# Altium PCB rt10.PcbDoc (part 3 of 3)
Units mm, origin at the board's own origin, x right, y up, seen from the top; angles counter-clockwise.
Board outline 35.56 x 44.45 mm, 8 copper layers (Top, L2, L3, L4, L5, L6, L7, Bottom), stack 1.19 mm thick; 220 components, 216 nets, 974 pads, 557 vias.
Unrouted connection lines stored in the file: 1.
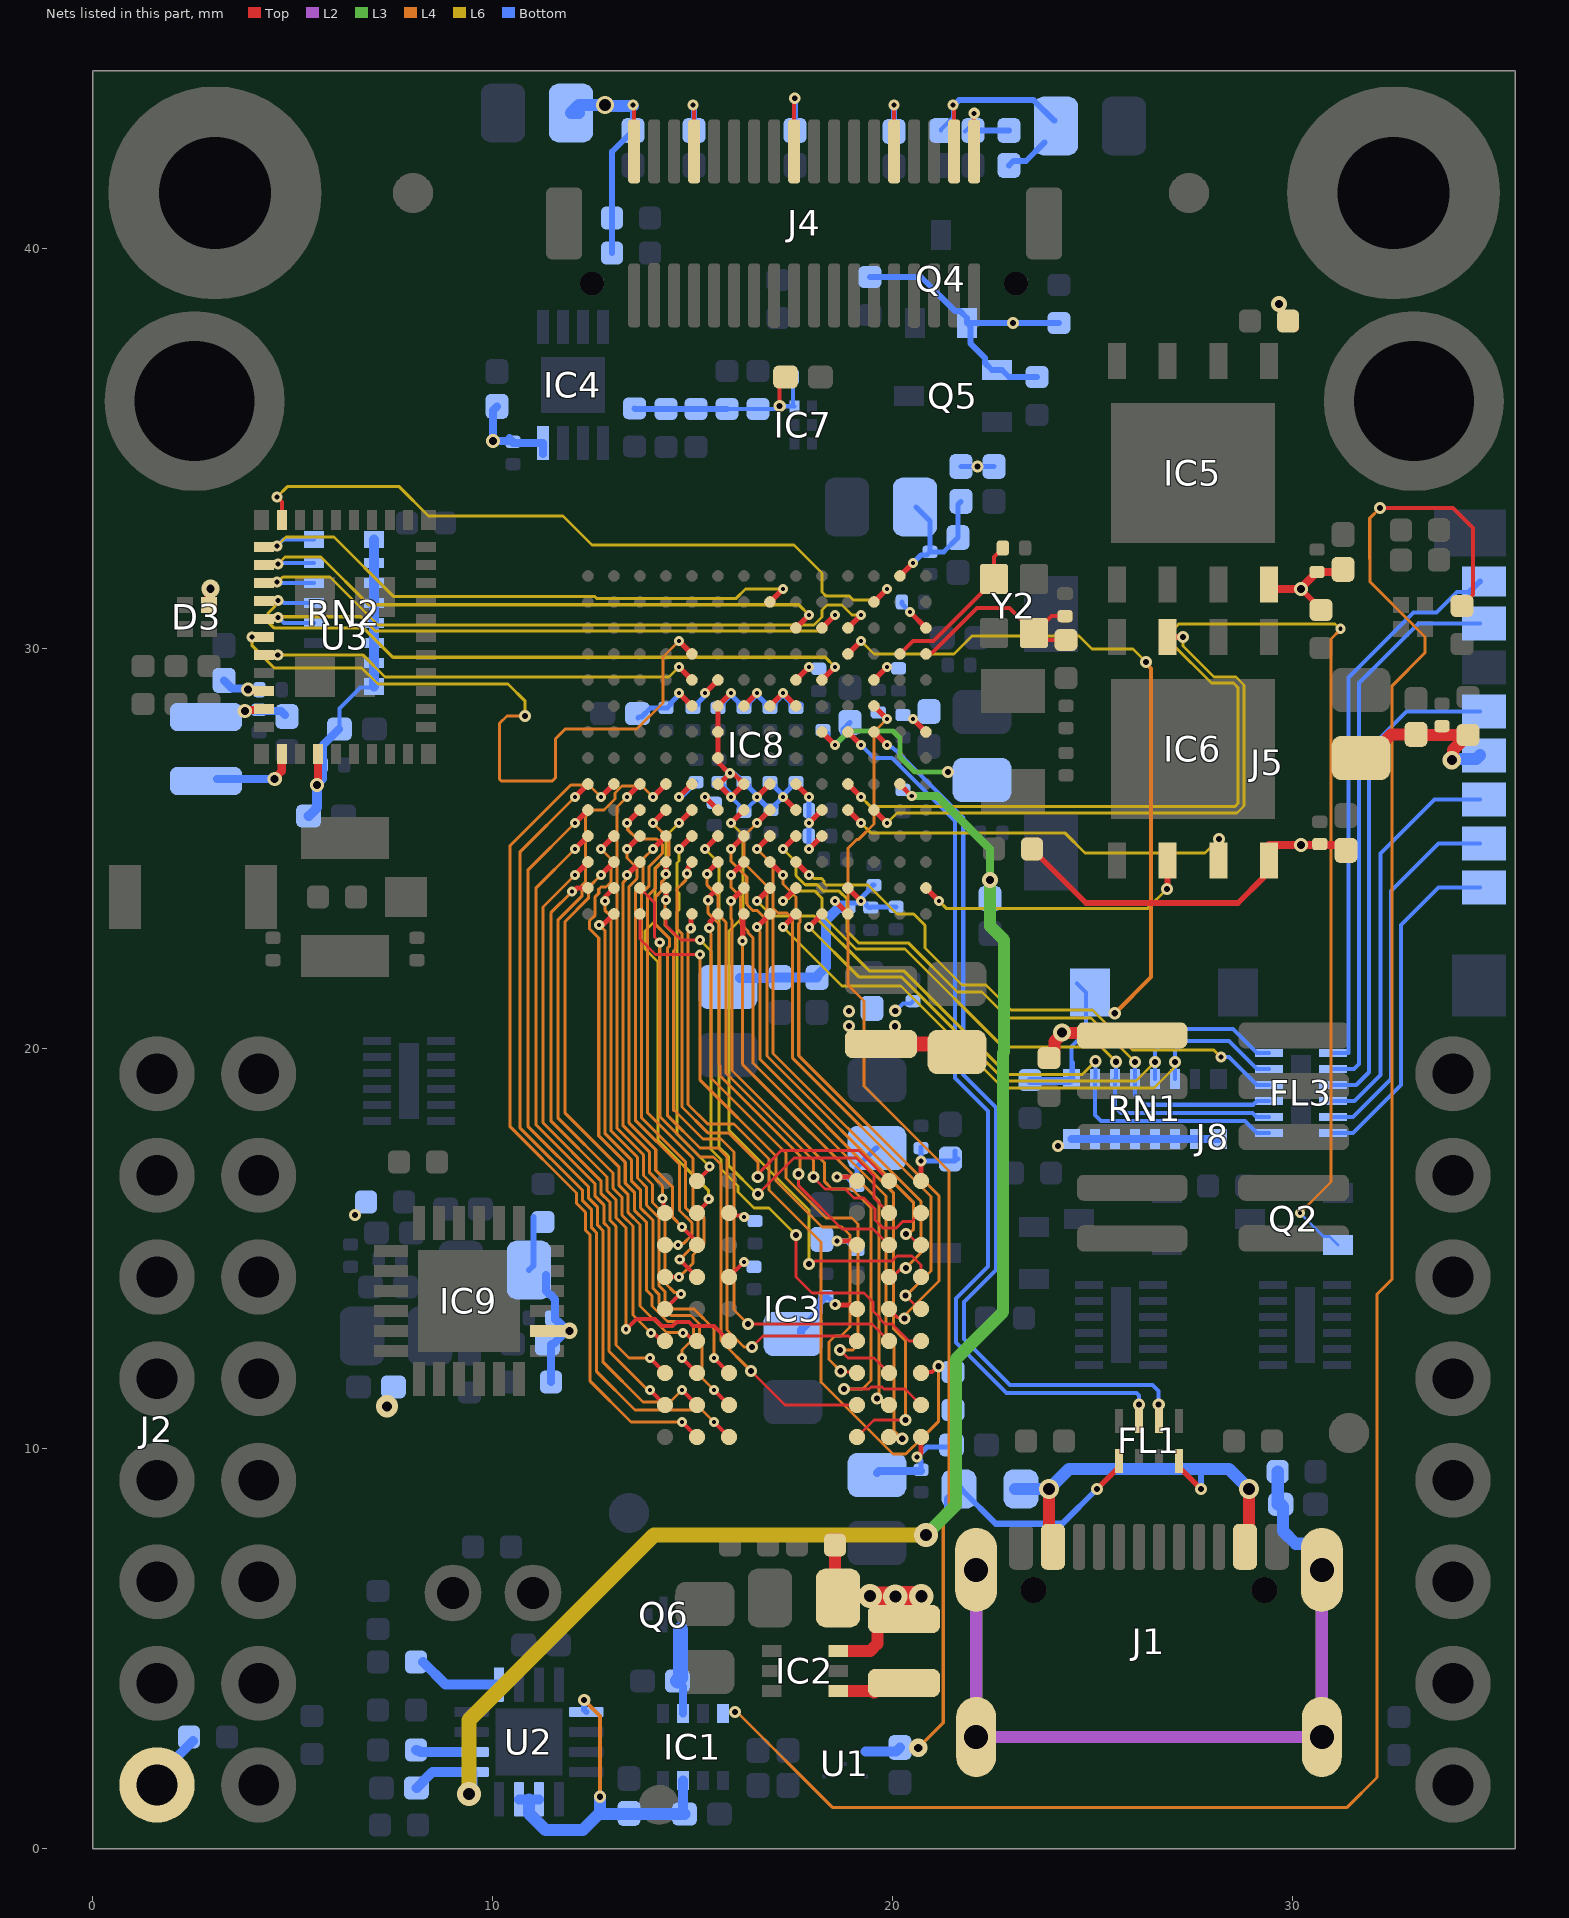
[diagram p9: the nets of this part, all layers, seen from the top]

## Via types
v1: diameter 0.254, hole 0.102, Top to Bottom, tented both sides, 227 vias
v2: diameter 0.305, hole 0.152, Top to Bottom, tented both sides, 152 vias
v3: diameter 0.279, hole 0.127, Top to Bottom, tented both sides, 108 vias
v4: diameter 0.356, hole 0.203, Top to Bottom, tented both sides, 30 vias
v5: diameter 0.61, hole 0.305, Top to Bottom, tented both sides, 9 vias
v6: diameter 0.457, hole 0.203, Top to Bottom, tented both sides, 7 vias
v7: diameter 0.406, hole 0.203, Top to Bottom, tented both sides, 6 vias
v8: diameter 0.457, hole 0.254, Top to Bottom, tented both sides, 5 vias
v9: diameter 0.457, hole 0.305, Top to Bottom, tented both sides, 4 vias
v10: diameter 0.406, hole 0.254, Top to Bottom, tented both sides, 3 vias
v11: diameter 0.457, hole 0.457, Top to Bottom, tented both sides, 2 vias
v12: diameter 0.508, hole 0.305, Top to Bottom, tented both sides, 2 vias
v13: diameter 0.559, hole 0.254, Top to Bottom, tented both sides, 1 vias
v14: diameter 0.508, hole 0.254, Top to Bottom, tented both sides, 1 vias

## Nets (pads, with @x,y where several pads share a name; then routed paths per layer and width w, separated by ;. In a path a pad name is that pad's centre, name@x,y a point inside that pad or via, vN(x,y) a via of type N, cw(c..) or ccw(c..) an arc to the next point about the centre after c; other vN are vias at no path point) (continued)
S_FLASH_IO2: IC6.3 IC8.M5 | length 15.1
  Top w0.127: IC8.M5@19.525,25.975 v1(19.85,25.65)
  Top w0.152: IC6.3@26.865,30.294 26.871,30.3 v2(27.25,30.3)
  L6 w0.076: v1(19.85,25.65) 20.102,25.902 28.602,25.902 28.775,26.075 28.775,29.1 28.575,29.3 28.025,29.3 27.25,30.075 v2(27.25,30.3)
S_FLASH_IO3: IC6.7 IC8.L5 | length 9.9
  Top w0.127: IC8.L5@18.875,25.975 v1(19.2,25.65)
  L6 w0.076: v1(19.2,25.65) 19.445,25.405 24.295,25.405 24.8,24.9 27.8,24.9 v2(28.15,25.25)
S_FLASH_SCK: IC6.6 IC8.P2 | length 7.2
  Top w0.127: IC8.P2@20.825,24.025 v1(21.15,23.7)
  Top w0.152: v2(26.85,24) 26.859,24.009 26.859,24.7 IC6.6@26.865,24.706
  L6 w0.076: v1(21.15,23.7) 21.341,23.509 26.359,23.509 v2(26.85,24)
SD_CD: D9.1 IC8.L11 J5.CD$1 RN1.9 | length 21.4
  Top w0.127: IC8.L11@18.875,29.875 v1(19.2,30.2)
  L4 w0.102: v2(25.543,20.894) 25.546,20.894 26.45,21.798 26.45,29.514 26.325,29.639 v2(26.325,29.675)
  L6 w0.076: v1(19.2,30.2) 19.525,29.875 21.525,29.875 21.975,30.325 24.65,30.325 24.975,30 26,30 v2(26.325,29.675)
  Bottom w0.102: RN1.9@24.463,19.25 24.463,20.063 24.825,20.425 24.825,21.407 J5.CD$1@24.6,21.632 ; RN1.9@24.504,19.289 24.504,19.663
  Bottom w0.203: D9.1@23.425,19.2 24.413,19.2 RN1.9@24.463,19.25
SD_CLK: FL3.4 IC8.J3 | length 14.5
  Top w0.127: IC8.J3@17.575,24.675 v1(17.9,24.35)
  L6 w0.076: v1(17.9,24.35) 17.942,24.35 18.033,24.259 18.216,24.259 18.275,24.2 18.275,24.151 18.327,24.099 19.376,24.099 20.1,23.375 20.516,23.375 20.8,23.091 20.8,22.525 21.725,21.6 22.325,21.6 22.95,20.975 24.989,20.975 25.989,19.975 28.022,19.975 v3(28.2,19.797)
  Bottom w0.102: v3(28.2,19.797) 28.403,19.797 29.1,19.1 FL3.4@29.4,19.1
SD_CLK_INT: FL3.9 J5.P$5 | length 12.3
  Bottom w0.102: FL3.9@31,19.1 31.582,19.1 31.9,19.418 31.9,27.5 32.842,28.442 J5.P$5@34.675,28.442
SD_CMD: FL3.3 IC8.J4 RN1.12 | length 16.5
  Top w0.127: v1(17.25,25) IC8.J4@17.575,25.325
  L6 w0.076: v1(17.25,25) 17.575,24.675 17.575,24.333 17.8,24.109 17.808,24.109 17.81,24.106 18.104,24.106 18.263,23.947 18.656,23.947 18.85,23.753 18.85,22.941 19.138,22.652 20.384,22.652 21.611,21.425 22.225,21.425 22.875,20.775 24.95,20.775 v2(26.05,19.675)
  Bottom w0.102: RN1.12@26.05,19.25 26.05,18.856 26.3,18.607 29.006,18.607 29.1,18.7 FL3.3@29.4,18.7 ; RN1.12@26.05,19.25 v2(26.05,19.675)
SD_CMD_INT: FL3.10 J5.P$3 | length 10
  Bottom w0.102: FL3.10@31,18.7 31.541,18.7 32.192,19.351 32.192,24.892 33.542,26.242 J5.P$3@34.675,26.242
SD_DAT0: FL3.5 IC8.J1 RN1.14 | length 15.7
  Top w0.127: v1(17.25,23.05) IC8.J1@17.575,23.375
  L6 w0.076: v1(17.25,23.05) 18.725,21.575 20.2,21.575 22.75,19.025 26.525,19.025 27.05,19.55 v2(27.05,19.675)
  Bottom w0.102: RN1.14@27.05,19.25 v2(27.05,19.675) 27.05,19.95 27.3,20.2 28.4,20.2 29.1,19.5 FL3.5@29.4,19.5
SD_DAT0_INT: FL3.8 J5.P$7 | length 13.9
  Bottom w0.102: FL3.8@31,19.5 31.522,19.5 31.646,19.624 31.646,29.146 33.142,30.642 J5.P$7@34.675,30.642
SD_DAT1: FL3.6 IC8.K1 RN1.13 | length 14.9
  Top w0.127: v1(17.9,23.05) IC8.K1@18.225,23.375
  L6 w0.076: v1(17.9,23.05) 19.148,21.802 20.206,21.802 22.808,19.2 26.075,19.2 v2(26.55,19.675)
  Bottom w0.102: RN1.13@26.55,19.25 26.55,19.95 27.1,20.5 28.5,20.5 29.1,19.9 FL3.6@29.4,19.9
SD_DAT1_INT: FL3.7 J5.P$8 | length 14.1
  Bottom w0.102: FL3.7@31,19.9 31.392,19.9 31.392,29.292 33.014,30.914 33.589,30.914 34.099,31.425 J5.P$8@34.408,31.425
  Bottom w0.152: J5.P$8@34.408,31.425 J5.P$8@34.675,31.692
SD_DAT2: FL3.1 IC8.H2 RN1.10 | length 16.7
  Top w0.127: v1(16.6,23.7) IC8.H2@16.925,24.025
  L6 w0.076: v1(16.6,23.7) 16.975,23.325 18.034,23.325 19.405,21.955 20.269,21.955 22.859,19.365 24.736,19.365 v2(25.065,19.694)
  Bottom w0.102: RN1.10@25.05,19.25 25.05,18.35 25.2,18.2 28.8,18.2 29.1,17.9 FL3.1@29.4,17.9 ; RN1.10@25.063,19.289 v2@25.063,19.663
SD_DAT2_INT: FL3.12 J5.P$1 | length 8.6
  Bottom w0.102: FL3.12@31,17.9 31.5,17.9 32.7,19.1 32.7,23.1 33.642,24.042 J5.P$1@34.675,24.042
SD_DAT3: FL3.2 IC8.J2 RN1.11 | length 16
  Top w0.127: v1(17.25,23.7) IC8.J2@17.575,24.025
  L6 w0.076: v1(17.25,23.7) 17.291,23.7 17.35,23.759 17.384,23.759 17.579,23.954 18.041,23.954 18.225,23.77 18.225,23.35 19.075,22.5 20.3,22.5 22.756,20.044 25.213,20.044 v2(25.577,19.681)
  Bottom w0.102: RN1.11@25.55,19.25 25.55,18.55 25.697,18.403 28.984,18.403 29.087,18.3 FL3.2@29.4,18.3 ; RN1.11@25.55,19.25 25.575,19.275 v2@25.575,19.65
SD_DAT3_INT: FL3.11 J5.P$2 | length 9.3
  Bottom w0.102: FL3.11@31,18.3 31.5,18.3 32.446,19.246 32.446,23.946 33.642,25.142 J5.P$2@34.675,25.142
SDRAM_A0: IC3.H7 IC8.C2 | length 16.4
  Top w0.076: IC8.C2@13.676,24.023 14.04,23.66 14.04,22.799 14.169,22.67 v1(14.169,22.666) ; v2(16.45,11.95) 17.3,11.1 IC3.H7@19.1,11.1
  L4 w0.076: v1(14.169,22.666) 14.169,18.312 15.18,17.301 15.513,17.301 15.7,17.114 15.7,12.7 v2@16.455,11.945
SDRAM_A1: IC3.H8 IC8.G1 | length 13.9
  Top w0.076: v2(19.603,11.261) 19.664,11.261 19.826,11.1 IC3.H8@19.9,11.1
  Top w0.127: v1(16.234,22.704) 16.244,22.713 16.244,23.344 IC8.G1@16.275,23.375
  L4 w0.076: v1(16.234,22.704) 16.234,19.62 19.65,16.204 19.65,11.42 19.646,11.417 19.646,11.305 v2(19.603,11.261)
SDRAM_A2: IC3.J8 IC8.G3 | length 16.3
  Top w0.127: v1(15.95,24.35) IC8.G3@16.275,24.675
  L4 w0.076: v1(15.95,24.35) 15.95,24.041 16.191,23.8 16.191,23.134 16.375,22.95 16.375,22.905 16.5,22.78 16.5,19.65 19.828,16.322 19.828,12.85 20.025,12.653 20.025,10.464 v2(20.232,10.257)
SDRAM_A3: IC3.J7 IC8.H1 | length 15.7
  Top w0.076: IC3.J7@19.1,10.3 19.525,10.725 v2(20.309,10.725)
  Top w0.127: v1(16.6,23.05) IC8.H1@16.925,23.375
  L4 w0.076: v1(16.6,23.05) 16.6,23.002 16.678,22.924 16.678,19.736 20.008,16.406 20.008,13.011 20.309,12.71 v2(20.309,10.725)
SDRAM_A4: IC3.J3 IC8.A6 | length 20.2
  Top w0.102: v1(15.525,10.675) IC3.J3@15.9,10.3
  Top w0.127: v1(12.05,26.3) IC8.A6@12.375,26.625
  L4 w0.076: v1(12.05,26.3) 10.67,24.92 10.67,18.034 12.24,16.464 12.24,16.204 12.466,15.979 12.466,15.529 12.593,15.402 12.593,11.932 13.55,10.975 15.225,10.975 v1(15.525,10.675)
SDRAM_A5: IC3.J2 IC8.B6 | length 21
  Top w0.102: v1(14.725,10.675) IC3.J2@15.1,10.3
  Top w0.127: v1(12.7,26.3) IC8.B6@13.025,26.625
  L4 w0.076: v1(12.7,26.3) 12.4,26.6 11.947,26.6 10.42,25.073 10.42,18.066 12.088,16.398 12.088,16.141 12.313,15.916 12.313,15.466 12.429,15.35 12.429,11.696 13.45,10.675 v1(14.725,10.675)
SDRAM_A6: IC3.H3 IC8.B1 | length 14.1
  Top w0.102: v1(15.525,11.475) IC3.H3@15.9,11.1
  Top w0.127: v1(12.656,23.104) 12.68,23.128 12.778,23.128 IC8.B1@13.025,23.375
  L4 w0.076: v1(12.656,23.104) 12.796,22.963 12.796,17.892 13.459,17.228 13.459,16.709 13.685,16.484 13.685,16.034 13.995,15.724 13.995,14.024 14.148,13.871 14.148,13.637 14.446,13.338 14.952,13.338 15.163,13.127 15.163,12.669 15.225,12.607 15.225,11.775 v1(15.525,11.475)
SDRAM_A7: IC3.H2 IC8.A5 | length 18.2
  Top w0.102: v1(14.725,11.475) IC3.H2@15.1,11.1
  Top w0.127: v1(12.05,25.65) IC8.A5@12.375,25.975
  L4 w0.076: v1(12.05,25.65) 10.87,24.47 10.87,18.071 12.393,16.548 12.393,16.268 12.618,16.042 12.618,15.592 12.746,15.464 12.746,12.179 13.75,11.175 14.425,11.175 v1(14.725,11.475)
SDRAM_A8: IC3.H1 IC8.A4 | length 16.1
  Top w0.102: v1(13.925,11.475) IC3.H1@14.3,11.1
  Top w0.127: v1(12.05,25) IC8.A4@12.375,25.325
  L4 w0.076: v1(12.05,25) 11.07,24.02 11.07,18.111 12.545,16.636 12.545,16.331 12.77,16.105 12.77,15.655 12.9,15.526 12.9,12.445 13.87,11.475 v1(13.925,11.475)
SDRAM_A9: IC3.G3 IC8.B2 | length 13.8
  Top w0.102: v1(15.525,12.275) IC3.G3@15.9,11.9
  Top w0.127: v1(12.797,23.702) 12.821,23.727 12.821,23.821 IC8.B2@13.025,24.025
  L4 w0.076: v1(12.797,23.702) 12.797,23.47 12.948,23.319 12.948,17.955 13.612,17.292 13.612,16.773 13.837,16.547 13.837,16.097 14.148,15.787 14.148,14.087 14.3,13.934 14.3,13.7 14.496,13.504 15.02,13.504 15.525,12.999 v1(15.525,12.275)
SDRAM_A10: IC3.H9 IC8.G2 | length 17.1
  Top w0.076: v2(18.775,11.5) 19.4,11.5 19.45,11.55 19.725,11.55 19.775,11.5 20.3,11.5 IC3.H9@20.7,11.1
  Top w0.127: v1(15.95,23.7) IC8.G2@16.275,24.025
  L4 w0.076: v1(15.95,23.7) 15.95,23.256 15.977,23.229 15.977,19.463 18.293,17.148 18.293,16.682 18.475,16.5 18.975,16.5 19.45,16.025 19.45,11.71 19.24,11.5 v2(18.775,11.5)
SDRAM_A11: IC3.G2 IC8.B4 | length 15.6
  Top w0.102: v1(14.725,12.275) IC3.G2@15.1,11.9
  Top w0.127: v1(12.7,25) IC8.B4@13.025,25.325
  L4 w0.076: v1(12.7,25) 12.948,24.752 12.948,24.173 12.825,24.05 12.7,24.05 12.644,23.994 12.644,23.89 12.556,23.802 12.556,23.345 12.414,23.203 12.414,23.004 12.644,22.774 12.644,17.829 13.307,17.165 13.307,16.646 13.532,16.421 13.532,15.971 13.843,15.661 13.843,13.961 13.975,13.828 13.975,13.576 14.365,13.186 14.889,13.186 15.011,13.064 15.011,12.761 14.725,12.475 v1(14.725,12.275)
SDRAM_A12: IC3.G1 IC8.A3 | length 14.8
  Top w0.102: v1(13.925,12.275) IC3.G1@14.3,11.9
  Top w0.127: v1(12.05,24.35) IC8.A3@12.375,24.675
  L4 w0.076: v1(12.05,24.35) 11.248,23.548 11.248,18.159 12.697,16.709 12.697,16.394 12.923,16.168 12.923,15.718 13.075,15.566 13.075,12.6 13.4,12.275 v1(13.925,12.275)
SDRAM_BA0: IC3.G7 IC8.C1 | length 15.4
  Top w0.076: IC8.C1@13.675,23.375 13.675,22.75 14.06,22.365 v1(15.179,22.365) ; v2(18.693,11.944) 18.715,11.922 19.078,11.922 IC3.G7@19.1,11.9
  L4 w0.076: v1(15.179,22.365) 15.179,19.221 17.075,17.325 17.075,16.7 18.225,15.55 18.725,15.55 18.925,15.35 18.925,13.05 18.7,12.825 18.55,12.825 18.4,12.675 18.4,12.237 v2(18.693,11.944)
SDRAM_BA1: IC3.G8 IC8.F1 | length 14.8
  Top w0.076: v2(18.675,12.475) 18.875,12.275 19.525,12.275 19.626,12.174 IC3.G8@19.9,11.9
  Top w0.127: v1(15.407,23.023) 15.431,23.047 15.431,23.181 IC8.F1@15.625,23.375
  L4 w0.076: v1(15.407,23.023) 15.441,22.989 15.441,22.899 15.45,22.889 15.45,19.275 17.325,17.4 17.325,16.775 18.325,15.775 18.975,15.775 19.125,15.625 19.125,12.6 19,12.475 v2(18.675,12.475)
SDRAM_CAS: IC3.F7 IC8.D3 | length 16.4
  Top w0.076: v2(16.475,12.55) 16.75,12.825 18.889,12.825 19.014,12.7 IC3.F7@19.1,12.7
  Top w0.127: v1(14.321,24.373) 14.323,24.375 14.323,24.673 IC8.D3@14.325,24.675
  L4 w0.076: v1(14.321,24.373) 14.287,24.339 14.287,24.244 14.21,24.167 14.21,23.951 14.068,23.809 14.068,23.107 14.268,22.907 14.41,22.766 14.41,22.566 14.36,22.515 14.36,18.34 15.175,17.525 15.625,17.525 15.852,17.298 15.852,12.973 16.275,12.55 v2(16.475,12.55)
SDRAM_CKE: IC3.F3 IC8.A2 | length 15.4
  Top w0.102: v1(13.326,12.993) 13.584,13.251 14.049,13.251 14.227,13.073 14.493,13.073 14.6,13.179 14.866,13.179 14.87,13.175 14.9,13.175 15,13.075 15.525,13.075 IC3.F3@15.9,12.7
  Top w0.127: v1(11.978,23.936) 12.012,23.936 12.101,24.025 IC8.A2@12.375,24.025
  L4 w0.076: v1(11.978,23.936) 11.445,23.403 11.445,18.206 12.85,16.801 12.85,16.457 13.075,16.232 13.075,15.782 13.326,15.531 v1(13.326,12.993)
SDRAM_CLK: IC3.F2 IC8.B3 | length 14.2
  Top w0.102: v1(14.75,12.9) 14.789,12.861 14.855,12.861 15.017,12.7 IC3.F2@15.1,12.7
  Top w0.127: v1(12.7,24.35) IC8.B3@13.025,24.675
  L4 w0.076: v1(12.7,24.35) 12.382,24.032 12.382,23.765 11.804,23.187 11.804,18.396 13.155,17.045 13.155,16.583 13.38,16.358 13.38,15.908 13.675,15.613 13.675,13.576 14.338,12.913 14.737,12.913 v1(14.75,12.9)
SDRAM_CS: IC3.G9 IC8.E1 R18.2 | length 19.4
  Top w0.102: IC3.G9@20.7,11.9 20.729,11.929 20.973,11.929 21.112,12.067 v2(21.135,12.067)
  Top w0.127: v1(14.942,23.018) 14.949,23.025 14.949,23.349 IC8.E1@14.975,23.375
  L4 w0.076: v1(14.942,23.018) 14.942,22.97 14.877,22.905 14.877,18.614 15.367,18.125 16.025,18.125 16.901,17.249 16.901,16.474 18.2,15.175 18.2,11.675 20,9.875 20.316,9.875 20.491,10.05 20.5,10.05 21.135,10.685 v2(21.135,12.067)
SDRAM_DQ0: IC3.A8 IC8.E3 | length 13.1
  Top w0.076: v2(16.62,16.798) 16.62,16.86 16.696,16.936 16.696,16.946 17.215,17.465 19.135,17.465 IC3.A8@19.9,16.7
  Top w0.127: v1(14.848,24.382) 14.872,24.406 14.872,24.528 14.975,24.631 IC8.E3@14.975,24.675
  L4 w0.076: v1(14.848,24.382) 14.82,24.355 14.82,24.221 14.6,24 14.6,23.007 14.725,22.882 14.725,18.55 15.373,17.902 15.898,17.902 16.62,17.18 v2(16.62,16.798)
SDRAM_DQ1: IC3.B9 IC8.F3 | length 12.6
  Top w0.076: v2(18.011,16.799) 18.011,16.789 18.3,16.5 18.8,16.5 19.025,16.275 19.275,16.275 19.55,16 19.55,15.725 19.756,15.519 20.073,15.519 20.243,15.689 20.464,15.689 20.675,15.9 IC3.B9@20.7,15.9
  Top w0.127: v1(15.355,24.376) 15.355,24.405 IC8.F3@15.625,24.675
  L4 w0.076: v1(15.355,24.376) 15.355,24.095 15.625,23.825 15.625,23.366 15.825,23.166 15.825,19.4 18.011,17.214 v2(18.011,16.799)
SDRAM_DQ2: IC3.B8 IC8.F4 | length 14.2
  Top w0.076: v2(16.623,16.37) 16.623,16.373 17.525,17.275 19.075,17.275 19.525,16.825 19.525,16.275 IC3.B8@19.9,15.9
  Top w0.127: v1(15.3,25) IC8.F4@15.625,25.325
  L6 w0.076: v1(15.3,25) 15.65,24.65 15.65,17.552 15.884,17.318 15.884,17.091 v2@16.614,16.361
SDRAM_DQ3: IC3.C9 IC8.G4 | length 12.7
  Top w0.076: v2(20.324,15.373) 20.374,15.373 20.648,15.1 IC3.C9@20.7,15.1
  Top w0.127: v1(15.95,25) IC8.G4@16.275,25.325
  L4 w0.076: v1(15.95,25) 15.95,24.691 16.344,24.298 16.344,23.64 16.359,23.625 16.359,23.6 16.5,23.459 16.613,23.459 16.85,23.222 16.85,19.826 20.517,16.159 20.517,15.494 20.472,15.45 20.462,15.45 20.386,15.373 v2(20.324,15.373)
SDRAM_DQ4: IC3.C8 IC8.F2 | length 11.4
  Top w0.076: v2(17.638,16.875) 17.643,16.87 17.643,16.582 18.725,15.5 19.5,15.5 IC3.C8@19.9,15.1
  Top w0.127: v1(15.38,23.719) 15.404,23.744 15.404,23.804 IC8.F2@15.625,24.025
  L4 w0.076: v1(15.38,23.719) 15.38,23.395 15.65,23.125 15.65,19.6 15.673,19.577 15.673,19.337 17.675,17.334 17.675,16.912 v2(17.638,16.875)
SDRAM_DQ5: IC3.D9 IC8.G5 | length 15.9
  Top w0.076: v2(17.9,14.625) 17.962,14.625 18.037,14.7 19.975,14.7 20.1,14.825 20.475,14.825 20.7,14.6 IC3.D9@20.7,14.3
  Top w0.127: v1(15.95,25.65) IC8.G5@16.275,25.975
  L6 w0.076: v1(15.95,25.65) 16.25,25.35 16.25,23.3 15.9,22.95 15.9,17.975 17.9,15.975 v2(17.9,14.625)
SDRAM_DQ6: IC3.D8 IC8.H5 | length 14.2
  Top w0.076: IC3.D8@19.9,14.3 19.988,14.3 20.165,14.477 20.277,14.477 v2(20.32,14.521)
  Top w0.127: v1(16.6,25.65) IC8.H5@16.925,25.975
  L4 w0.076: v1(16.6,25.65) 16.275,25.325 16.275,24.65 16.848,24.077 16.848,23.44 17.002,23.285 17.002,19.889 20.7,16.192 20.7,14.905 20.32,14.525 v2(20.32,14.521)
SDRAM_DQ7: IC3.E9 IC8.H4 | length 14.4
  Top w0.076: v2(20.31,13.835) 20.315,13.835 20.65,13.5 IC3.E9@20.7,13.5
  Top w0.127: v1(16.6,25) IC8.H4@16.925,25.325
  L4 w0.076: v1(16.6,25) 17,24.6 17,23.525 17.125,23.4 17.35,23.4 17.491,23.259 17.491,19.771 20.95,16.312 20.95,14.45 20.335,13.835 v2(20.31,13.835)
SDRAM_DQ8: IC3.E1 IC8.C6 | length 14.3
  Top w0.102: IC3.E1@14.3,13.5 14.675,13.875 v1(14.7,13.875)
  Top w0.127: v1(13.35,26.3) IC8.C6@13.675,26.625
  L4 w0.076: v1(13.35,26.3) 13.101,26.051 13.101,18.018 13.764,17.355 13.764,16.836 13.99,16.61 13.99,16.16 14.3,15.85 14.3,14.15 14.543,13.907 14.668,13.907 v1(14.7,13.875)
SDRAM_DQ9: IC3.D2 IC8.C5 | length 13.6
  Top w0.102: v1(14.669,14.736) 15.1,14.305 IC3.D2@15.1,14.3
  Top w0.127: v1(13.35,25.65) IC8.C5@13.675,25.975
  L4 w0.076: v1(13.35,25.65) 13.369,25.631 13.369,25.481 13.6,25.25 14.091,25.25 14.241,25.1 14.241,24.9 13.905,24.564 13.905,24.077 13.71,23.883 13.71,18.28 14.817,17.174 14.817,16.026 15.127,15.716 15.127,15.195 v1(14.669,14.736)
SDRAM_DQ10: IC3.D1 IC8.D5 | length 13.4
  Top w0.102: IC3.D1@14.3,14.3 v1@14.653,14.299
  Top w0.127: v1(14,25.65) IC8.D5@14.325,25.975
  L4 w0.076: v1(14,25.65) 14.394,25.256 14.394,24.837 14.057,24.5 14.057,24.014 13.863,23.82 13.863,18.403 15,17.266 15,16.058 15.28,15.779 15.28,15.132 15,14.852 15,14.645 v1(14.654,14.299)
SDRAM_DQ11: IC3.C2 IC8.C4 | length 11.2
  Top w0.102: v1(14.725,15.55) 15.1,15.175 IC3.C2@15.1,15.1
  Top w0.127: v1(13.35,25) IC8.C4@13.675,25.325
  L4 w0.076: v1(13.35,25) 13.35,24.775 13.6,24.525 13.6,24.273 13.591,24.264 13.591,24.25 13.406,24.064 13.406,18.144 14.069,17.481 14.069,16.968 14.492,16.545 14.492,15.792 14.725,15.559 v1(14.725,15.55)
SDRAM_DQ12: IC3.C1 IC8.D4 | length 11.3
  Top w0.127: v1(14,25) IC8.D4@14.325,25.325
  L4 w0.076: v1(14,25) 13.752,24.752 13.752,24.141 13.558,23.946 13.558,18.217 14.664,17.111 14.664,15.963 14.975,15.652 14.975,15.35 14.759,15.134 14.659,15.134 v1(14.625,15.1)
SDRAM_DQ13: IC3.B2 IC8.E5 | length 11.3
  Top w0.102: IC3.B2@15.1,15.9 15.1,15.908 15.363,16.172 15.363,16.221 v1(15.393,16.25)
  Top w0.127: v1(14.65,25.65) IC8.E5@14.975,25.975
  L6 w0.076: v1(14.65,25.65) 14.325,25.325 14.325,24.8 14.05,24.525 14.05,23.2 13.8,22.95 13.8,22.5 14.125,22.175 14.125,17.725 15.393,16.457 v1(15.393,16.25)
SDRAM_DQ14: IC3.B1 IC8.C3 | length 9.4
  Top w0.102: v1(14.237,16.264) 14.266,16.234 14.266,15.934 IC3.B1@14.3,15.9
  Top w0.127: v1(13.35,24.35) IC8.C3@13.675,24.675
  L4 w0.076: v1(13.35,24.35) 13.316,24.316 13.316,24.229 13.253,24.166 13.253,18.081 13.917,17.418 13.917,16.905 14.069,16.752 14.069,16.746 14.237,16.579 v1(14.237,16.264)
SDRAM_DQ15: IC3.A2 IC8.E4 | length 9.3
  Top w0.102: IC3.A2@15.1,16.7 15.1,16.703 15.383,16.986 15.383,17.031 v1(15.413,17.06)
  Top w0.127: v1(14.65,25) IC8.E4@14.975,25.325
  L6 w0.076: v1(14.65,25) 14.65,24.7 14.6,24.65 14.6,23.95 14.65,23.9 14.65,23.475 14.6,23.425 14.6,17.873 v1(15.413,17.06)
SDRAM_DQMH: IC3.F1 IC8.D6 | length 17.3
  Top w0.102: v1(13.95,12.9) 13.989,12.861 14.056,12.861 14.217,12.7 IC3.F1@14.3,12.7
  Top w0.127: v1(14,26.3) IC8.D6@14.325,26.625
  L4 w0.076: v1(13.95,12.9) 13.5,13.35 13.5,15.572 13.228,15.845 13.228,16.295 13.002,16.52 13.002,16.898 11.62,18.28 11.62,23.219 12.23,23.829 12.23,24.095 12.317,24.183 12.317,25.817 12.475,25.975 12.775,25.975 13.05,26.25 13.05,26.4 13.225,26.575 13.725,26.575 v1(14,26.3)
SDRAM_DQML: IC3.E8 IC8.H3 | length 14
  Top w0.076: IC3.E8@19.9,13.5 19.9,13.497 20.105,13.292 20.258,13.292 v2(20.287,13.262)
  Top w0.127: IC8.H3@16.925,24.675 v1(17.25,24.35)
  L4 w0.076: v1(17.25,24.35) 17.25,24.125 17.575,23.8 17.575,23.5 17.675,23.4 17.675,23.166 17.644,23.135 17.644,19.834 21.148,16.33 21.148,14.198 20.362,13.412 20.362,13.399 20.287,13.324 v2(20.287,13.262)
SDRAM_RAS: IC3.F8 IC8.D2 | length 15.8
  Top w0.076: v2(16.375,13.125) 19.475,13.125 IC3.F8@19.9,12.7
  Top w0.127: v1(14.323,23.723) v1(14.323,23.723) 14.324,24.024 IC8.D2@14.325,24.025
  L4 w0.076: v1(14.323,23.723) 14.304,23.704 14.304,23.088 14.563,22.829 14.563,22.503 14.512,22.452 14.512,18.463 14.537,18.463 15.25,17.75 15.7,17.75 16.025,17.425 16.025,13.475 v2(16.375,13.125)
SDRAM_WE: IC3.F9 IC8.D1 | length 14.9
  Top w0.076: IC8.D1@14.325,23.375 14.325,23.1 14.7,22.725 v1(15.175,22.725) ; v2(17.575,15.35) 17.575,14.3 17.975,13.9 19.275,13.9 19.5,13.675 19.5,13.449 19.675,13.274 19.675,13.25 19.8,13.125 19.975,13.125 20.4,12.7 IC3.F9@20.7,12.7
  L6 w0.076: v1(15.175,22.725) 15.45,22.45 15.45,17.488 15.7,17.238 15.7,17 16.125,16.575 16.125,16.425 16.525,16.025 16.9,16.025 v2(17.575,15.35)
SHELL_GND: C110.1 J1.SH R41.1 | length 20.1
  L2 w0.305: J1.SH@22.08,6.98 J1.SH@22.08,2.8 J1.SH@30.72,2.8 J1.SH@30.72,7.288
  Bottom w0.305: R41.1@29.617,9.433 29.617,8.617 C110.1@29.694,8.617 29.75,8.561 29.75,7.95 30.068,7.632 30.376,7.632 J1.SH@30.72,7.288
SR_VLX: L9.1 U3.34 | length 2.1
  Top w0.203: v4(4.542,26.749) 4.542,26.769 4.718,26.944 4.718,27.368 U3.34@4.725,27.375
  Bottom w0.203: L9.1@3.101,26.749 v4(4.542,26.749)
ST: IC1.8 R5.1 | length 54.9
  Top w0.102: v2(32.175,33.525) 34,33.525 34.5,33.025 34.5,31.359 34.225,31.084 R5.1@34.225,31.075
  L4 w0.076: v2(16.05,3.425) 16.1,3.425 18.483,1.042 31.354,1.042 32.101,1.788 32.101,13.871 32.479,14.249 32.479,29.079 33.298,29.898 33.298,30.312 31.923,31.687 31.923,32.247 31.919,32.251 31.919,33.269 v2(32.175,33.525)